# Altium PCB ESPBoard.PcbDoc
Units mm, origin at the board's own origin, x right, y up, seen from the top; angles counter-clockwise.
Board outline 100 x 80 mm, 2 copper layers (Top Layer, Bottom Layer); 20 components, 61 nets, 212 pads, 23 vias.
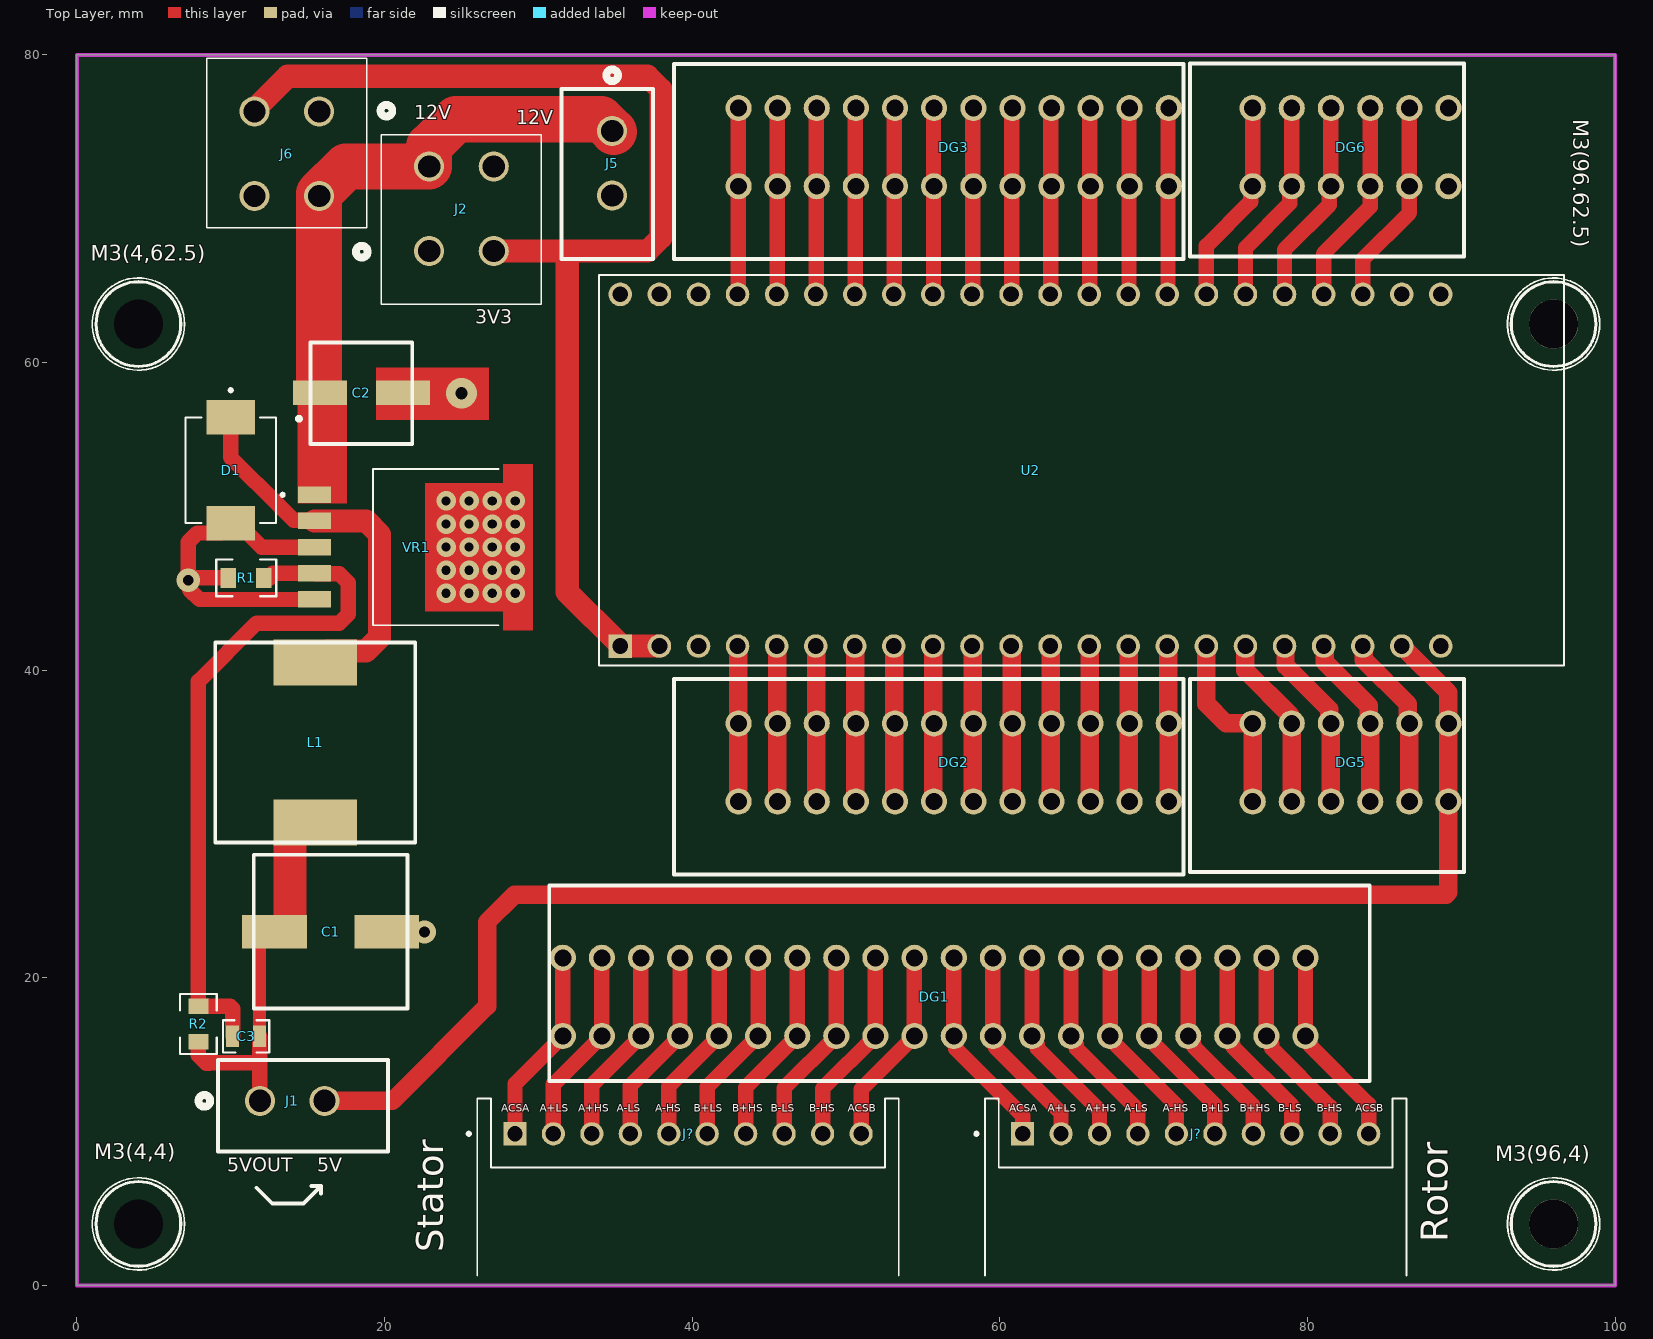
[diagram p0: Top Layer view]
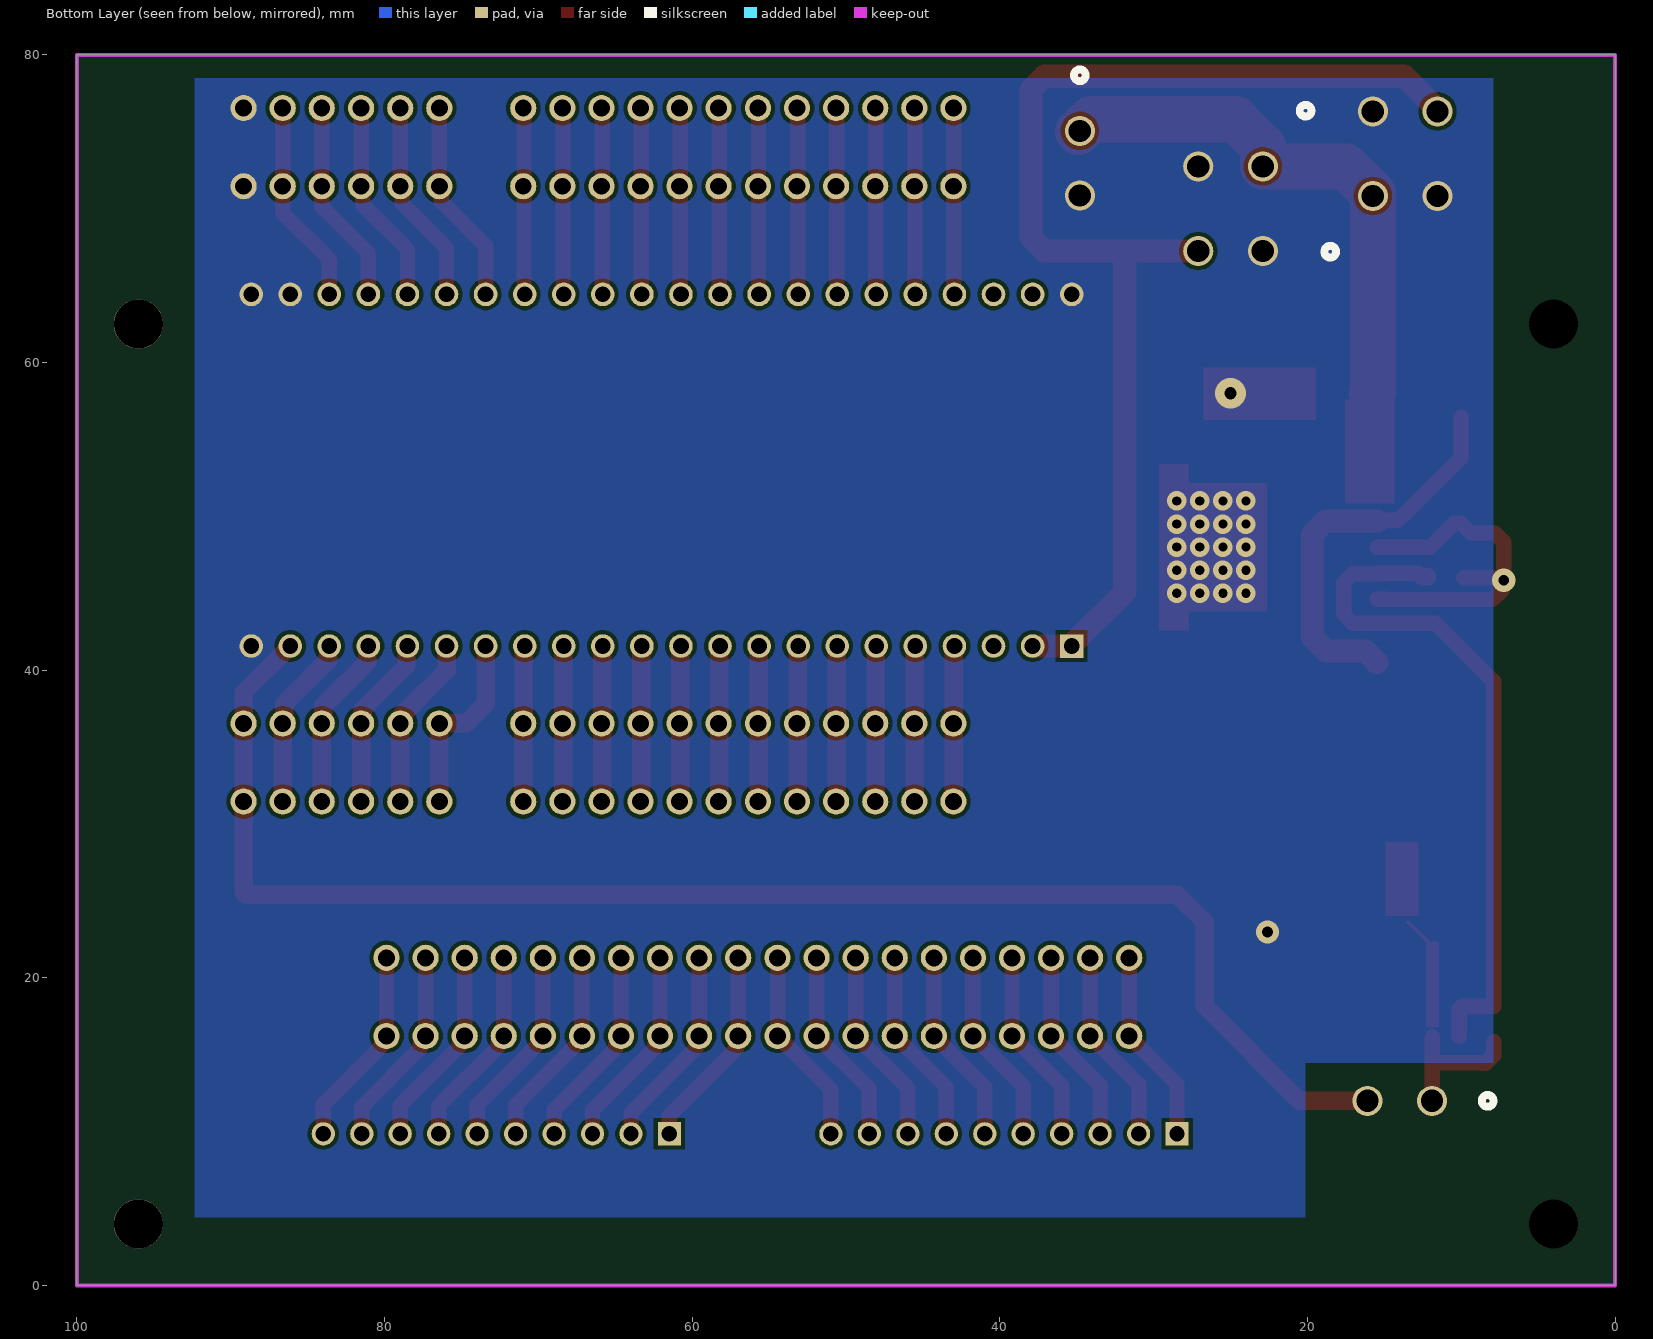
[diagram p1: Bottom Layer view, seen from below]

## Layer stack, top to bottom
Top Solder: solder mask 0.0102, Solder Resist, Dk 3.5
Top Layer: signal copper 0.0356
Dielectric 1: dielectric 0.32, FR-4, Dk 4.8
Bottom Layer: signal copper 0.0356
Bottom Solder: solder mask 0.0102, Solder Resist, Dk 3.5

## Board outline
0,0 0,80 100,80 100,0

## Design rules (kind name [scope] priority, off if disabled: settings)
AssemblyTestPointUsage [All] p1: isadvanced=TRUE
AssemblyTestpoint [All] p1: isadvanced=TRUE testpointundercomponent=TRUE minsize=1.016 maxsize=2.54 preferedsize=1.524 minholesize=0 maxholesize=1.016 preferedholesize=0.813 testpointgrid=0.025 usegrid=TRUE gridtolerance=0 allowsidetop=TRUE allowsidebottom=TRUE
Clearance Clearance_1 [OnMid vs OnMid] p1: gap=0.254 ignorepadtopadclearanceinfootprint=FALSE sourcerule=41 cellrowname=All cellrowtype=0 cellcolname=All cellcoltype=0 innerlayers=TRUE
Clearance Clearance_2 [(ExistsOnLayer('Top Layer') Or ExistsOnLayer('Bottom Layer')) vs (ExistsOnLayer('Top Layer') Or ExistsOnLayer('Bottom Layer'))] p2: gap=0.254 ignorepadtopadclearanceinfootprint=FALSE sourcerule=41 cellrowname=All cellrowtype=0 cellcolname=All cellcoltype=0 outerlayers=TRUE
Clearance [All] p3: gap=0.254 ignorepadtopadclearanceinfootprint=FALSE ismatrix=TRUE
ComponentClearance [All] p1: isadvanced=TRUE gap=0.254 collisioncheckmode=3 verticalgap=0.254 showdistances=FALSE
FabricationTestPointUsage [All] p1: isadvanced=TRUE valid=0 allowmultiple=FALSE
FabricationTestpoint [All] p1: isadvanced=TRUE side=3 testpointundercomponent=TRUE minsize=1.016 maxsize=2.54 preferedsize=1.524 minholesize=0 maxholesize=1.016 preferedholesize=0.813 testpointgrid=0.025 allowsidetop=TRUE allowsidebottom=TRUE usegrid=TRUE gridtolerance=0
FanoutControl Fanout_BGA [IsBGA] p1: isadvanced=TRUE bgadir=Out bgaviamode=Centered fanoutstyle=Auto fanoutdirection=Alternating viagrid=0.025 // Fanout_BGA (Default Rule)
FanoutControl Fanout_LCC [IsLCC] p2: isadvanced=TRUE bgadir=Out bgaviamode=Centered fanoutstyle=Auto fanoutdirection=Alternating viagrid=0.025 // Fanout_LCC (Default Rule)
FanoutControl Fanout_SOIC [IsSOIC] p3: isadvanced=TRUE bgadir=Out bgaviamode=Centered fanoutstyle=Auto fanoutdirection=Alternating viagrid=0.025 // Fanout_SOIC (Default Rule)
FanoutControl Fanout_Small [(CompPinCount < 5)] p4: isadvanced=TRUE bgadir=Out bgaviamode=Centered fanoutstyle=Auto fanoutdirection=OutThenIn viagrid=0.025 // Fanout_Small (Default Rule)
FanoutControl Fanout_Default [All] p5: isadvanced=TRUE bgadir=Out bgaviamode=Centered fanoutstyle=Auto fanoutdirection=Alternating viagrid=0.025 // Fanout_Default (Default Rule)
Height [All] p1: isadvanced=TRUE minheight=0 maxheight=25.4 prefheight=12.7
HoleSize [All] p1: isadvanced=TRUE absolutevalues=TRUE maxlimit=2.54 minlimit=0.025 maxpercent=80.000 minpercent=20.000
HoleToHoleClearance [All] p1: isadvanced=TRUE gap=0.254 allowstackedmicrovias=TRUE
LayerPairs [All] p1: isadvanced=TRUE enforce=TRUE
MinimumSolderMaskSliver [All] p1: isadvanced=TRUE minsoldermaskwidth=0.254
NetAntennae [All] p1: isadvanced=TRUE netantennaetolerance=0
PasteMaskExpansion [All] p1: isadvanced=TRUE expansion=0
PlaneClearance [All] p1: isadvanced=TRUE clearance=0.508
PlaneConnect [All] p1: isadvanced=TRUE planeconnectstyle=Relief reliefexpansion=0.508 reliefentries=4 reliefconductorwidth=0.254 reliefairgap=0.254
PolygonConnect [All] p1: connectstyle=Direct reliefconductorwidth=0.254 reliefentries=4 polygonreliefangle="90 Angle" airgapwidth=0.254
RoutingCorners [All] p1: isadvanced=TRUE cornerstyle=45-Degree minsetback=2.54 maxsetback=2.54
RoutingPriority [All] p1: isadvanced=TRUE routingpriority=0
RoutingVias [All] p1: holewidth=0.711 width=1.27 viastyle="Through Hole" minholewidth=0.711 minwidth=1.27 maxholewidth=0.711 maxwidth=1.27
ShortCircuit [All] p1: isadvanced=TRUE allowed=FALSE
SilkToSilkClearance [All] p1: isadvanced=TRUE silktosilkclearance=0.254
SilkToSolderMaskClearance [IsPad] p1: isadvanced=TRUE minsilkscreentomaskgap=0.254 clearancetoexposedcopper=TRUE
SolderMaskExpansion [All] p1: isadvanced=TRUE expansion=0 istentingtop=FALSE
SupplyNets "Schematic Supply Nets_4" [InNet('12V')] p1: isadvanced=TRUE voltage=0.000
SupplyNets "Schematic Supply Nets_3" [InNet('5VOUT_SW')] p2: isadvanced=TRUE voltage=0.000
SupplyNets "Schematic Supply Nets_2" [InNet('GND')] p3: isadvanced=TRUE voltage=0.000
SupplyNets "Schematic Supply Nets_1" [InNet('5V')] p4: isadvanced=TRUE voltage=0.000
SupplyNets "Schematic Supply Nets" [InNet('3V3')] p5: isadvanced=TRUE voltage=0.000
UnRoutedNet [All] p1: isadvanced=TRUE
UnpouredPolygon [All] p1: isadvanced=TRUE
Width [All] p1: maxlimit=0.254 minlimit=0.254 preferedwidth=0.254
4 further rules are at their usual default settings.

## Components (designator, comment, footprint, x,y, rotation, side; value= is the part's Value field where it differs from the comment)
C1 "EEUFR1V101B" 220UF 16.5,23 r0 top
C2 "EEUFR1V101B" 100UF 18.5,58 r0 top
C3 "Capacitor" CAP0805R 11,16.2 r180 top value=100nF
D1 "SS34" DIOM7959X265N 10,53 r270 top
DG1 "DG141V20P" 141V-20P 55.729,18.762 r180 top
DG2 "DG141V-12P" 141V-12P 57,34 r0 top locked
DG3 "DG141V-12P" 141V-12P 57,74 r0 top locked
DG5 "DG141V-6P" 141V-6P 82.8,34 r0 top locked
DG6 "DG141V-6P" 141V-6P 82.8,74 r0 top locked
J1 "39288040" 5566-02_MOL 14,12 r0 top
J2 "39288040" 5566-04_MOL 25,70 r0 top
J5 "39288040" 5566-02_MOL 34.798,72.957 r270 top
J6 "39288040" 5566-04_MOL 13.648,73.577 r180 top
J? "S10B-XH-A(LF)(SN)" JST_S10B-XH-A(LF)(SN) 72.729,4.162 r0 top
J? "S10B-XH-A(LF)(SN)" JST_S10B-XH-A(LF)(SN) 39.729,4.162 r0 top
L1 "Inductor" SC1280S-33UH 15.494,35.306 r270 top value=33uH
R1 "Resistor" RES0805W 11,46 r0 top value=1K
R2 "Resistor" RES0805W 7.9,17 r90 top value=3.3K
U2 "ESP32-S3-DEVKITC-1-N8R2" ESP32-S3-DEVKITC-1 62,53 r90 top
VR1 "LM2596S-5.0/NOPB" VREG_LM2596S-5.0/NOPB 22,48 r0 top

## Footprints (in the part's own frame and the unit in brackets; to place one, negate y for a bottom-side part, rotate by r counter-clockwise, add the part's x,y. Pads: shape width x height; smd on the part's side, far side on the other; paste and mask are expansions set on the pad)
100UF [mm] "[SAMYOUNG] SMD E/C 35V 100uF (105℃)/6.3 Ø x8mm"
  rect 3.5x1.6 smd: N(2.7,0.028) P(-2.7,0.028)
  silkscreen extent -4.19,-3.3 3.3,3.3, body extent -3.3,-3.3 3.3,3.3, height 6.63
141V-6P [mm] "[DINKLE] 141V (6핀) /터미널블럭/푸시버튼타입"
  round 1.7 hole 1.1: 1(-6.36,-2.54) 1(-6.36,2.54) 2(-3.82,-2.54) 2(-3.82,2.54) 3(-1.28,-2.54) 3(-1.28,2.54) 4(1.28,-2.54) 4(1.28,2.54) 5(3.82,-2.54) 5(3.82,2.54) 6(6.36,-2.54) 6(6.36,2.54)
  silkscreen extent -10.45,-7.11 7.37,5.43, body extent -10.41,-7.19 7.37,5.41, height 13.6
141V-12P [mm] "[DINKLE] 141V (12핀) /터미널블럭/푸시버튼타입"
  round 1.7 hole 1.1: 1(-13.98,-2.54) 1(-13.98,2.54) 2(-11.44,-2.54) 2(-11.44,2.54) 3(-8.9,-2.54) 3(-8.9,2.54) 4(-6.36,-2.54) 4(-6.36,2.54) 5(-3.82,-2.54) 5(-3.82,2.54) 6(-1.28,-2.54) 6(-1.28,2.54) 7(1.28,-2.54) 7(1.28,2.54) 8(3.82,-2.54) 8(3.82,2.54) 9(6.36,-2.54) 9(6.36,2.54) 10(8.9,-2.54) 10(8.9,2.54) 11(11.44,-2.54) 11(11.44,2.54) 12(13.98,-2.54) 12(13.98,2.54)
  silkscreen extent -18.18,-7.27 14.93,5.42, body extent -18.16,-7.19 14.86,5.41, height 13.6
141V-20P [mm] "[DINKLE] 141V (20핀) /터미널블럭/푸시버튼타입"
  round 1.7 hole 1.1: 1(-24.14,-2.54) 1(-24.14,2.54) 2(-21.6,-2.54) 2(-21.6,2.54) 3(-19.06,-2.54) 3(-19.06,2.54) 4(-16.52,-2.54) 4(-16.52,2.54) 5(-13.98,-2.54) 5(-13.98,2.54) 6(-11.44,-2.54) 6(-11.44,2.54) 7(-8.9,-2.54) 7(-8.9,2.54) 8(-6.36,-2.54) 8(-6.36,2.54) 9(-3.82,-2.54) 9(-3.82,2.54) 10(-1.28,2.54) 10(-1.28,-2.54) 11(1.28,2.54) 11(1.28,-2.54) 12(3.82,-2.54) 12(3.82,2.54) 13(6.36,-2.54) 13(6.36,2.54) 14(8.9,-2.54) 14(8.9,2.54) 15(11.44,-2.54) 15(11.44,2.54) 16(13.98,-2.54) 16(13.98,2.54) 17(16.52,-2.54) 17(16.52,2.54) 18(19.06,-2.54) 18(19.06,2.54) 19(21.6,-2.54) 19(21.6,2.54) 20(24.14,-2.54) 20(24.14,2.54)
  silkscreen extent -28.32,-7.24 25.02,5.46, body extent -28.32,-7.19 25.02,5.41, height 13.6
220UF [mm] "[SAMYOUNG] SMD E/C 35V 220uF (85℃)/8Ø x10mm"
  rect 4.2x2.2 smd: N(3.65,0) P(-3.65,0)
  silkscreen extent -5,-5 5,5, body extent -4.75,-4.15 4.75,4.15, height 10.51
5566-02_MOL [mil]
  round 77 / inner round 60 / far side round 77 hole 57 paste-99999 mask+0: 1(-82.68,0) 2(82.68,0)
  silkscreen extent -240,-130 245,105, body extent -190,-126 245,106, height 504
5566-04_MOL [mil]
  round 77 / inner round 60 / far side round 77 hole 57 paste-99999 mask+0: 1(-82.68,108.27) 2(82.68,108.27) 3(-82.68,-108.27) 4(82.68,-108.27)
  silkscreen extent -270,-244 205,189, body extent -205,-244 205,189, height 504
CAP0805R [mm] "capacitor 0805 reflow soldering"
  rect 0.85x1.4 smd: 1(-0.875,0) 2(0.875,0)
  silkscreen extent -1.5,-1.05 1.5,1.05, body extent -1,-0.63 1,0.63, height 0.78
DIOM7959X265N [mm]
  rect 2.25x3.18 smd paste+0 mask+0.102: A(3.455,0) C(-3.455,0)
  silkscreen extent -5.3,-2.95 3.44,2.95, body extent -3.96,-2.88 3.94,2.92, height 2.18
ESP32-S3-DEVKITC-1 [mm]
  round 1.53 hole 1.02: 0(11.43,-6.35) 1(11.43,19.05) 2(11.43,16.51) 3(-11.43,-3.81) 3V3(-11.43,24.13) 4(-11.43,19.05) 5(-11.43,16.51) 5V(-11.43,-24.13) 6(-11.43,13.97) 7(-11.43,11.43) 8(-11.43,-1.27) 9(-11.43,-8.89) 10(-11.43,-11.43) 11(-11.43,-13.97) 12(-11.43,-16.51) 13(-11.43,-19.05) 14(-11.43,-21.59) 15(-11.43,8.89) 16(-11.43,6.35) 17(-11.43,3.81) 18(-11.43,1.27) 19(11.43,-21.59) 20(11.43,-19.05) 21(11.43,-16.51) 35(11.43,-3.81) 36(11.43,-1.27) 37(11.43,1.27) 38(11.43,3.81) 39(11.43,6.35) 40(11.43,8.89) 41(11.43,11.43) 42(11.43,13.97) 45(11.43,-8.89) 46(-11.43,-6.35) 47(11.43,-13.97) 48(11.43,-11.43) GND(-11.43,-26.67) GND(11.43,26.67) GND(11.43,-26.67) GND(11.43,-24.13) RST(-11.43,21.59) RX(11.43,21.59) TX(11.43,24.13)
  rect 1.53x1.53 / inner round 1.53 / far side rect 1.53x1.53 hole 1.02: 3V3(-11.43,26.67)
  silkscreen extent -12.7,-34.67 12.7,28.07, body extent -12.7,-35.26 12.7,34.38, height 15.69
JST_S10B-XH-A(LF)(SN) [mm]
  rect 1.508x1.508 / inner round 1.508 / far side rect 1.508x1.508 hole 1: 1(-11.25,5.7)
  round 1.508 hole 1: 2(-8.75,5.7) 3(-6.25,5.7) 4(-3.75,5.7) 5(-1.25,5.7) 6(1.25,5.7) 7(3.75,5.7) 8(6.25,5.7) 9(8.75,5.7) 10(11.25,5.7)
  silkscreen extent -14.35,-3.5 13.7,8, body extent -13.7,-3.5 13.7,8, height 6.1
RES0805W [mm] "2012급"
  rect 1x1.3 smd: 1(-1.15,0) 2(1.15,0)
  silkscreen extent -1.95,-1.2 1.95,1.2, body extent -1,-0.62 1,0.63, height 0.5
SC1280S-33UH [mm]
  rect 3x5.4 smd: 1(-5.2,0) 2(5.2,0)
  silkscreen extent -6.5,-6.5 6.5,6.5, body extent -6.5,-6.5 6.5,6.5, height 8
VREG_LM2596S-5.0/NOPB [mm]
  rect 2.16x1.07 smd paste+0 mask+0.102: 1(-6.545,3.4) 2(-6.545,1.7) 3(-6.545,0) 4(-6.545,-1.7) 5(-6.545,-3.4)
  rect 0.5x0.5 smd paste-1 mask+0: 6(6.67,0)
  Top Layer region: 7.625,-5.4 5.715,-5.4 5.715,-4.165 0.635,-4.165 0.635,4.165 5.715,4.165 5.715,5.4 7.625,5.4
  silkscreen extent -8.72,-5.08 5.4,5.08, body extent -7.18,-5.08 7.2,5.08, height 4.78

## Part data
C1 C2: "AL LYTIC, RADIAL, 35VDC, 100UF", Package="RADIAL-2 Panasonic", Availability="In Stock", Check_prices=https://www.snapeda.com/parts/EEUFR1V101B/Panasonic/view-part/5790218/?ref=eda, MF=Panasonic, MP=EEUFR1V101B, Price=None, SnapEDA_Link=https://www.snapeda.com/parts/EEUFR1V101B/Panasonic/view-part/5790218/?ref=snap
D1: "Diode Schottky 40 V 3A Surface Mount SMC (DO-214AB)", Package="SMC-2 ON Semiconductor", Check_prices=https://www.snapeda.com/parts/SS34/Onsemi/view-part/?ref=eda, MF=onsemi, MP=SS34, SnapEDA_Link=https://www.snapeda.com/parts/SS34/Onsemi/view-part/?ref=snap
DG1: library part DG141V-20P
J1 J5: library part 5566-02A, "Mini-Fit Jr. Vertical Header, 4.20mm Pitch, Dual Row, 2 Circuits, without Snap-in Plastic Peg PCB Lock, Tin, Natural", Manufacturer_Name="Molex Connector Corporation", Copyright="Copyright (C) 2025 Ultra Librarian. All rights reserved.", Manufacturer_Part_Number=39288040, RefDes=RefDes, Type=Type
J2 J6: library part 5566-04A, "Mini-Fit Jr. Vertical Header, 4.20mm Pitch, Dual Row, 4 Circuits, without Snap-in Plastic Peg PCB Lock, Tin, Natural", Manufacturer_Name="Molex Connector Corporation", Copyright="Copyright (C) 2025 Ultra Librarian. All rights reserved.", Manufacturer_Part_Number=39288040, RefDes=RefDes, Type=Type
J? J?: Package=None, Availability=Unavailable, MP=S10B-XH-A(LF)(SN), Price=None
U2: "WiFi Development Tools - 802.11 (Engineering Samples Only) ESP32-S3 General-Purpose Development Board, ESP32-S3-WROOM-1-N8R2, with Pin Header", Package=None, Check_prices=https://www.snapeda.com/parts/ESP32-S3-DEVKITC-1-N8R2/Espressif+Systems/view-part/?ref=eda, MF="Espressif Systems", MP=ESP32-S3-DEVKITC-1-N8R2, SnapEDA_Link=https://www.snapeda.com/parts/ESP32-S3-DEVKITC-1-N8R2/Espressif+Systems/view-part/?ref=snap
VR1: "SIMPLE SWITCHERÂ® 4.5V to 40V, 3A Low Component Count Step-Down Regulator 5-DDPAK/TO-263", Package="TO-263-5 Texas Instruments", Check_prices=https://www.snapeda.com/parts/LM2596S-5.0/Texas+Instruments/view-part/?ref=eda, MF="Texas Instruments", MP=LM2596S-5.0, SnapEDA_Link=https://www.snapeda.com/parts/LM2596S-5.0/Texas+Instruments/view-part/?ref=snap
C3 L1: SimulationGenericComponent=True
R1 R2: SimulationGenericComponent=True, TC1=0, TC2=0

## Free pads (board coordinates)
  round 1.524 hole 3.2 unplated: 61(4,4) 61(4,62.5)
  round 3.2 hole 3.2 unplated: 61(96,4) 61(96,62.5)

## Via types
v1: diameter 1.27, hole 0.6, Top Layer to Bottom Layer, 20 vias
v2: diameter 1.5, hole 0.711, Top Layer to Bottom Layer, 2 vias
v3: diameter 2, hole 0.8, Top Layer to Bottom Layer, 1 vias

## Nets (pads, with @x,y where several pads share a name; then routed paths per layer and width w, separated by ;. In a path a pad name is that pad's centre, name@x,y a point inside that pad or via, vN(x,y) a via of type N, cw(c..) or ccw(c..) an arc to the next point about the centre after c; other vN are vias at no path point)
3V3: J2.4 J6.4 U2.3V3 | length 78.4
  Top Layer w0.254: 31.877,45.023 31.877,45.079
  Top Layer w1.5: J6.4 11.548,76.45 11.776,76.678 11.776,76.681 13.708,78.613 37.094,78.613 37.973,77.734 37.973,68.129 37.094,67.25 31.877,67.25 ; J2.4 31.877,67.25 ; U2.3V3@35.33,41.57 U2.3V3@37.87,41.57 ; U2.3V3@35.33,41.585 35.315,41.585 35.315,41.641 31.877,45.079 31.877,67.25
5V: DG5.6 J1.2 U2.5V | length 99.1
  Top Layer w1.2: J1.2 20.509,12 26.67,18.161 26.67,23.622 28.448,25.4 89.011,25.4 89.16,25.549 89.16,31.46 89.16,36.54 89.16,38.54 U2.5V
5VOUT_SW: C1.P C3.1 J1.1 L1.2 R2.1 | length 11.5
  Top Layer w0.254: C1.P@11.85,22.027 12.823,23 C1.P C1.P@13.462,23.612
  Top Layer w1: R2.1 7.9,14.96 8.404,14.456 8.614,14.456 8.636,14.478 11.875,14.478 ; J1.1 C3.1@11.9,16.175
12V: C2.P J2.1 J5.1 J6.1 VR1.1 | length 35.2
  Top Layer w3: C2.P 15.748,58.08 15.748,70.993 17.505,72.75 J2.1 22.9,74.062 24.657,75.819 34.081,75.819 J5.1@34.9,75
GND: C1.N C2.N D1.A DG6.6 J2.2 J2.3 J5.2 J6.2 J6.3 R1.1 U2.GND VR1.3 VR1.5 VR1.6 | length 28.8
  Top Layer w0.254: C2.N C2.N@21.228,58 ; 25,51.67 25.585,51.085 VR1.6
  Top Layer w1: R1.1 7.527,46 7.374,45.847 v2(7.239,45.847) ; VR1.5 14.882,44.6 14.875,44.593 7.97,44.593 7.335,45.228 7.335,45.751 v2(7.239,45.847) ; VR1.3 12.01,48 10.465,49.545 D1.A 9.375,48.92 7.825,48.92 7.239,48.334 v2(7.239,45.847)
  other v1: 24,45 25.5,45 27,45 28.5,45 24,46.5 25.5,46.5 27,46.5 28.5,46.5 24,48 25.5,48 27,48 28.5,48 24,49.5 25.5,49.5 27,49.5 28.5,49.5 24,51 25.5,51 27,51 28.5,51
  other v2: 22.606,22.987
  other v3: 25,58
NetC3_2: C3.2 R1.2 R2.2 VR1.4 | length 45.1
  Top Layer w1: C3.2 10.125,18.001 9.976,18.15 R2.2 7.9,39.269 11.684,43.053 17.067,43.053 17.653,43.639 17.653,45.679 17.067,46.265 15.49,46.265 VR1.4 12.736,46.3 12.586,46.15 R1.2@12.15,46.15 ; R1.2 R1.2@12.586,46
NetD1_C: D1.C L1.1 VR1.2 | length 25.9
  Top Layer w1: D1.C 10,53.834 13.296,50.538 14.099,49.735 15.42,49.735 VR1.2
  Top Layer w1.5: VR1.2 18.806,49.7 19.685,48.821 19.685,42.135 18.806,41.256 16.244,41.256 L1.1
NetDG1_1: DG1.1 J?.10@83.979,9.862 | length 13.1
  Top Layer w1: DG1.1@79.869,21.302 79.869,16.222 79.869,16.033 80.219,15.683 80.219,15.539 83.979,11.779 J?.10@83.979,9.862
NetDG1_2: DG1.2 J?.9@81.479,9.862 | length 13.2
  Top Layer w1: DG1.2@77.329,21.302 77.329,16.222 77.329,16.033 77.679,15.683 77.679,15.412 81.479,11.612 J?.9@81.479,9.862
NetDG1_3: DG1.3 J?.8@78.979,9.862 | length 13.2
  Top Layer w1: DG1.3@74.789,21.302 74.789,16.222 74.789,16.033 75.139,15.683 75.139,15.539 78.979,11.699 J?.8@78.979,9.862
NetDG1_4: DG1.4 J?.7@76.479,9.862 | length 13.2
  Top Layer w1: DG1.4@72.249,21.302 72.249,16.222 72.249,16.033 72.599,15.683 72.599,15.539 76.479,11.659 J?.7@76.479,9.862
NetDG1_5: DG1.5 J?.6@73.979,9.862 | length 13.2
  Top Layer w1: DG1.5@69.709,21.302 69.709,16.222 69.709,16.033 70.059,15.683 70.059,15.666 73.979,11.746 J?.6@73.979,9.862
NetDG1_6: DG1.6 J?.5@71.479,9.862 | length 13.2
  Top Layer w1: DG1.6@67.169,21.302 67.169,16.222 67.169,16.033 67.519,15.683 67.519,15.666 71.479,11.706 J?.5@71.479,9.862
NetDG1_7: DG1.7 J?.4@68.979,9.862 | length 13.2
  Top Layer w1: DG1.7@64.629,21.302 64.629,16.222 64.629,16.033 64.979,15.683 64.979,15.412 68.979,11.412 J?.4@68.979,9.862
NetDG1_8: DG1.8 J?.3@66.479,9.862 | length 13.3
  Top Layer w1: DG1.8@62.089,21.302 62.089,16.222 62.089,16.033 62.439,15.683 62.439,15.412 66.479,11.372 J?.3@66.479,9.862
NetDG1_9: DG1.9 J?.2@63.979,9.862 | length 13.3
  Top Layer w1: DG1.9@59.549,21.302 59.549,16.222 59.683,16.088 59.683,15.501 63.979,11.205 J?.2@63.979,9.862
NetDG1_10: DG1.10 J?.1@61.479,9.862 | length 13.3
  Top Layer w1: DG1.10@57.009,21.302 57.009,16.222 57.143,16.088 57.143,15.374 61.479,11.038 J?.1@61.479,9.862
NetDG1_11: DG1.11 J?.10@50.979,9.862 | length 12.9
  Top Layer w1: J?.10@50.979,9.862 50.979,12.752 54.449,16.222 DG1.11@54.449,21.302
NetDG1_12: DG1.12 J?.9@48.479,9.862 | length 12.9
  Top Layer w1: J?.9@48.479,9.862 48.479,12.792 51.909,16.222 DG1.12@51.909,21.302
NetDG1_13: DG1.13 J?.8@45.979,9.862 | length 12.8
  Top Layer w1: J?.8@45.979,9.862 45.979,12.832 49.369,16.222 DG1.13@49.369,21.302
NetDG1_14: DG1.14 J?.7@43.479,9.862 | length 12.8
  Top Layer w1: J?.7@43.479,9.862 43.479,12.872 46.829,16.222 DG1.14@46.829,21.302
NetDG1_15: DG1.15 J?.6@40.979,9.862 | length 12.8
  Top Layer w1: J?.6@40.979,9.862 40.979,12.912 44.289,16.222 DG1.15@44.289,21.302
NetDG1_16: DG1.16 J?.5@38.479,9.862 | length 12.8
  Top Layer w1: J?.5@38.479,9.862 38.479,12.952 41.749,16.222 DG1.16@41.749,21.302
NetDG1_17: DG1.17 J?.4@35.979,9.862 | length 12.8
  Top Layer w1: J?.4@35.979,9.862 35.979,12.992 39.209,16.222 DG1.17@39.209,21.302
NetDG1_18: DG1.18 J?.3@33.479,9.862 | length 12.8
  Top Layer w1: J?.3@33.479,9.862 33.479,13.032 36.669,16.222 DG1.18@36.669,21.302
NetDG1_19: DG1.19 J?.2@30.979,9.862 | length 12.7
  Top Layer w1: J?.2@30.979,9.862 30.979,13.072 34.129,16.222 DG1.19@34.129,21.302
NetDG1_20: DG1.20 J?.1@28.479,9.862 | length 12.7
  Top Layer w1: J?.1@28.479,9.862 28.479,13.112 31.589,16.222 DG1.20@31.589,21.302
NetDG2_1: DG2.1 U2.4 | length 10.1
  Top Layer w1.2: U2.4 42.985,41.535 42.985,31.495 DG2.1@43.02,31.46
NetDG2_2: DG2.2 U2.5 | length 10.1
  Top Layer w1.2: U2.5 45.525,41.535 45.525,31.495 DG2.2@45.56,31.46
NetDG2_3: DG2.3 U2.6 | length 10.1
  Top Layer w1.2: U2.6 48.065,41.535 48.065,31.495 DG2.3@48.1,31.46
NetDG2_4: DG2.4 U2.7 | length 10.1
  Top Layer w1.2: U2.7 50.605,41.535 50.605,31.495 DG2.4@50.64,31.46
NetDG2_5: DG2.5 U2.15 | length 10.1
  Top Layer w1.2: U2.15 53.145,41.535 53.145,31.495 DG2.5@53.18,31.46
NetDG2_6: DG2.6 U2.16 | length 10.1
  Top Layer w1.2: U2.16 55.685,41.535 55.685,31.495 DG2.6@55.72,31.46
NetDG2_7: DG2.7 U2.17 | length 10.1
  Top Layer w1.2: U2.17 58.235,41.525 58.235,31.505 DG2.7@58.28,31.46
NetDG2_8: DG2.8 U2.18 | length 10.1
  Top Layer w1.2: U2.18 60.775,41.525 60.775,31.505 DG2.8@60.82,31.46
NetDG2_9: DG2.9 U2.8 | length 10.1
  Top Layer w1.2: U2.8 63.315,41.525 63.315,31.505 DG2.9@63.36,31.46
NetDG2_10: DG2.10 U2.3 | length 10.1
  Top Layer w1.2: U2.3 65.855,41.525 65.855,31.505 DG2.10@65.9,31.46
NetDG2_11: DG2.11 U2.46 | length 10.1
  Top Layer w1.2: U2.46 68.395,41.525 68.395,31.505 DG2.11@68.44,31.46
NetDG2_12: DG2.12 U2.9 | length 10.1
  Top Layer w1.2: U2.9 70.935,41.525 70.935,36.585 70.98,36.54 DG2.12@70.98,31.46
NetDG3_1: DG3.1 U2.1 | length 12.1
  Top Layer w0.254: U2.1 U2.1@42.985,64.465 ; DG3.1@42.985,76.505 DG3.1@43.02,76.54
  Top Layer w1: U2.1@42.985,64.465 DG3.1@42.985,76.505
NetDG3_2: DG3.2 U2.2 | length 12.1
  Top Layer w0.254: U2.2 U2.2@45.525,64.465 ; DG3.2@45.525,76.505 DG3.2@45.56,76.54
  Top Layer w1: U2.2@45.525,64.465 DG3.2@45.525,76.505
NetDG3_3: DG3.3 U2.42 | length 12.1
  Top Layer w0.254: U2.42 U2.42@48.065,64.465 ; DG3.3@48.065,76.505 DG3.3@48.1,76.54
  Top Layer w1: U2.42@48.065,64.465 DG3.3@48.065,76.505
NetDG3_4: DG3.4 U2.41 | length 12.1
  Top Layer w0.254: U2.41 U2.41@50.605,64.465 ; DG3.4@50.605,76.505 DG3.4@50.64,76.54
  Top Layer w1: U2.41@50.605,64.465 DG3.4@50.605,76.505
NetDG3_5: DG3.5 U2.40 | length 12.1
  Top Layer w0.254: U2.40 U2.40@53.145,64.465 ; DG3.5@53.145,76.505 DG3.5@53.18,76.54
  Top Layer w1: U2.40@53.145,64.465 DG3.5@53.145,76.505
NetDG3_6: DG3.6 U2.39 | length 12.1
  Top Layer w0.254: U2.39 U2.39@55.685,64.465 ; DG3.6@55.685,76.505 DG3.6@55.72,76.54
  Top Layer w1: U2.39@55.685,64.465 DG3.6@55.685,76.505
NetDG3_7: DG3.7 U2.38 | length 12.1
  Top Layer w0.254: U2.38 U2.38@58.235,64.475 ; DG3.7@58.235,76.495 DG3.7@58.28,76.54
  Top Layer w1: U2.38@58.235,64.475 DG3.7@58.235,76.495
NetDG3_8: DG3.8 U2.37 | length 12.1
  Top Layer w0.254: U2.37 U2.37@60.775,64.475 ; DG3.8@60.775,76.495 DG3.8@60.82,76.54
  Top Layer w1: U2.37@60.775,64.475 DG3.8@60.775,76.495
NetDG3_9: DG3.9 U2.36 | length 12.1
  Top Layer w0.254: U2.36 U2.36@63.315,64.475 ; DG3.9@63.315,76.495 DG3.9@63.36,76.54
  Top Layer w1: U2.36@63.315,64.475 DG3.9@63.315,76.495
NetDG3_10: DG3.10 U2.35 | length 12.1
  Top Layer w0.254: U2.35 U2.35@65.855,64.475 ; DG3.10@65.855,76.495 DG3.10@65.9,76.54
  Top Layer w1: U2.35@65.855,64.475 DG3.10@65.855,76.495
NetDG3_11: DG3.11 U2.0 | length 12.1
  Top Layer w0.254: U2.0 U2.0@68.395,64.475 ; DG3.11@68.395,76.495 DG3.11@68.44,76.54
  Top Layer w1: U2.0@68.395,64.475 DG3.11@68.395,76.495
NetDG3_12: DG3.12 U2.45 | length 12.1
  Top Layer w1: U2.45 70.935,64.475 70.935,76.495 DG3.12@70.98,76.54
NetDG5_1: DG5.1 U2.10 | length 12.4
  Top Layer w1.2: U2.10 73.43,37.822 74.712,36.54 76.44,36.54 DG5.1@76.44,31.46
NetDG5_2: DG5.2 U2.11 | length 11.4
  Top Layer w1.2: U2.11 75.97,39.981 78.884,37.067 78.884,36.636 78.98,36.54 DG5.2@78.98,31.46
NetDG5_3: DG5.3 U2.12 | length 11.4
  Top Layer w1.2: U2.12 78.573,41.507 78.573,40.299 81.424,37.448 81.424,36.636 81.52,36.54 DG5.3@81.52,31.46
NetDG5_4: DG5.4 U2.13 | length 11.4
  Top Layer w1.2: U2.13 81.113,41.507 81.113,40.553 83.984,37.682 83.984,36.636 84.08,36.54 DG5.4@84.08,31.46
NetDG5_5: DG5.5 U2.14 | length 11.4
  Top Layer w1.2: U2.14 83.653,41.507 83.653,40.68 86.533,37.8 86.533,36.627 86.62,36.54 DG5.5@86.62,31.46
NetDG6_1: DG6.1 U2.48 | length 13.4
  Top Layer w1: U2.48 73.43,67.588 76.306,70.464 76.306,71.326 76.44,71.46 DG6.1@76.44,76.54
NetDG6_2: DG6.2 U2.47 | length 13.4
  Top Layer w1: U2.47 75.97,67.461 78.846,70.337 78.846,71.326 78.98,71.46 DG6.2@78.98,76.54
NetDG6_3: DG6.3 U2.21 | length 13.4
  Top Layer w1: U2.21 78.51,67.334 81.416,70.24 81.416,71.356 81.52,71.46 DG6.3@81.52,76.54
NetDG6_4: DG6.4 U2.20 | length 13.4
  Top Layer w1: U2.20 81.05,67.08 84.08,70.11 DG6.4@84.08,76.54
NetDG6_5: DG6.5 U2.19 | length 13.4
  Top Layer w1: U2.19 83.59,66.699 86.62,69.729 DG6.5@86.62,76.54
pads on no net: U2.RST U2.RX U2.TX

## Polygon pours and split planes (outlines as drawn)
GND on Bottom Layer "GND_L02_P000" (solid, pour order 0): 7.938,78.486 7.938,14.478 20.13,14.478 20.13,4.445 92.329,4.445 92.329,78.486

## Keep-outs
Keep-Out Layer:
  the board outline again, w0.254

## Other copper
Top Layer:
  rectangle net 12V: 14.351,50.85 17.55,57.589
  rectangle net GND: 19.431,56.261 26.797,59.69
  rectangle net 5VOUT_SW: 12.788,24.003 14.94,28.829
  rectangle net 5VOUT_SW: 11.447,16.768 12.302,22.352

## Silkscreen, mask and mechanical layers (free items; w line width, h text height)
Top Overlay:
  circle w0.114: c96,62.5 r3
  circle w0.114: c96,4 r3
  circle w0.114: c4,4 r3
  circle w0.114: c4,62.5 r3
  circle w0.2: c96,62.5 r2.75
  circle w0.2: c96,4 r2.75
  circle w0.2: c4,4 r2.75
  circle w0.2: c4,62.5 r2.75
  lines w0.254: 11.684,6.35 12.7,5.334 14.732,5.334 15.875,6.477 ; 15.24,6.477 15.367,6.477 15.875,6.477 ; 15.875,5.969 15.875,6.477
  text "M3(96.62.5)" at 97.282,75.819 h1 r270
  text "12V" at 21.948,75.521 h1.52
  text "12V" at 28.575,75.184 h1.52
  text "M3(4,62.5)" at 0.889,66.627 h1
  text "3V3" at 25.908,62.23 h1.52
  text "ACSA" at 27.6,11.3 h0.5
  text "A+LS" at 30.1,11.3 h0.5
  text "A+HS" at 32.6,11.3 h0.5
  text "A-LS" at 35.1,11.3 h0.5
  text "A-HS" at 37.6,11.3 h0.5
  text "B+LS" at 40.1,11.3 h0.5
  text "B+HS" at 42.6,11.3 h0.5
  text "B-LS" at 45.1,11.3 h0.5
  text "B-HS" at 47.6,11.3 h0.5
  text "ACSB" at 50.1,11.3 h0.5
  text "ACSA" at 60.6,11.3 h0.5
  text "A+LS" at 63.1,11.3 h0.5
  text "A+HS" at 65.6,11.3 h0.5
  text "A-LS" at 68.1,11.3 h0.5
  text "A-HS" at 70.6,11.3 h0.5
  text "B+LS" at 73.1,11.3 h0.5
  text "B+HS" at 75.603,11.3 h0.5
  text "B-LS" at 78.1,11.3 h0.5
  text "B-HS" at 80.6,11.3 h0.5
  text "ACSB" at 83.1,11.3 h0.5
  text "M3(4,4)" at 1.143,8.207 h1
  text "M3(96,4)" at 92.202,8.08 h1
  text "5VOUT" at 9.779,7.112 h1.52
  text "5V" at 15.621,7.112 h1.52
  text "Rotor" at 89.706,2.809 h3 r90
  text "Stator" at 24.413,2.157 h3 r90